# Altium PCB Zynq-Video-Board.PcbDoc (part 7 of 7)
Units mm, origin at the board's own origin, x right, y up, seen from the top; angles counter-clockwise.
Board outline 140 x 100.79 mm, 4 copper layers (Top Layer, Power Layer, GND Layer, Bottom Layer), stack 1.536 mm thick; 231 components, 238 nets, 1116 pads, 595 vias.
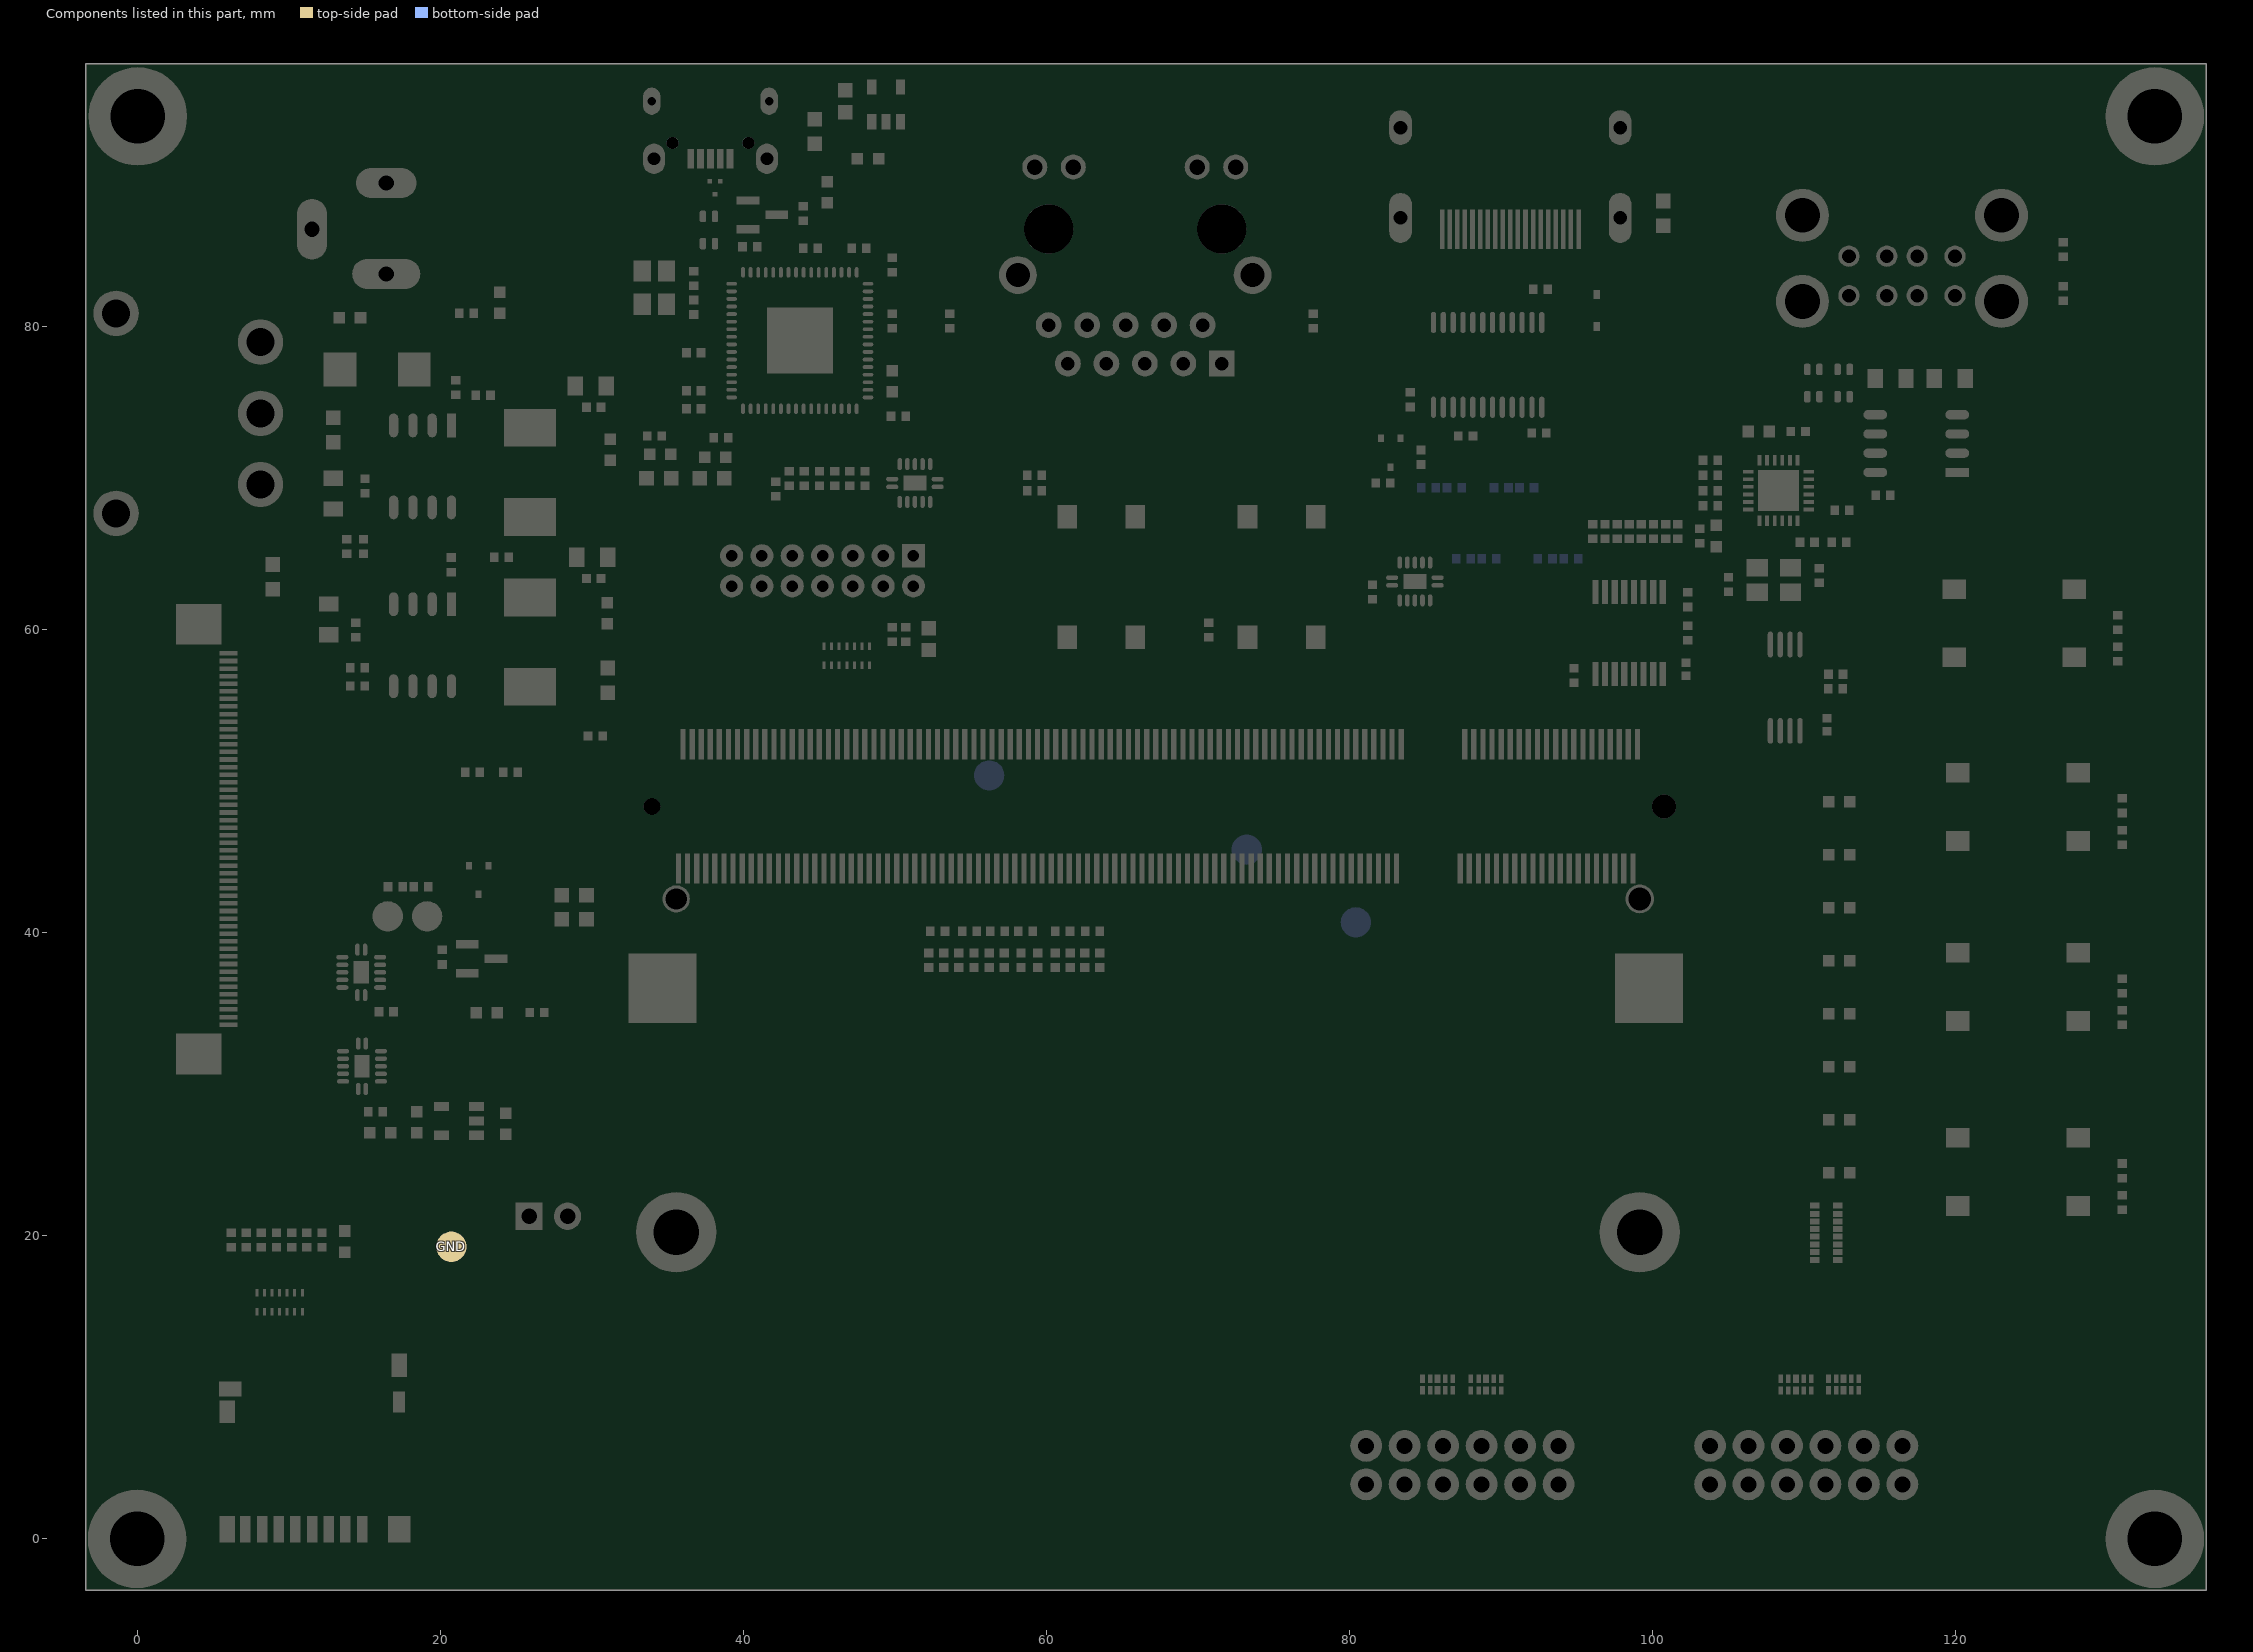
[diagram p9: the components of this part, seen from the top]

## Via types
v1: diameter 0.6, hole 0.25, Top Layer to Bottom Layer, tented both sides, 578 vias
v2: diameter 0.6, hole 0.25, Top Layer to Bottom Layer, 16 vias
v3: diameter 0.8, hole 0.35, Top Layer to Bottom Layer, tented both sides, 1 vias

## Nets (pads, with @x,y where several pads share a name; then routed paths per layer and width w, separated by ;. In a path a pad name is that pad's centre, name@x,y a point inside that pad or via, vN(x,y) a via of type N, cw(c..) or ccw(c..) an arc to the next point about the centre after c; other vN are vias at no path point) (continued)
copper on no net: (continued)
  Top Layer w0.013: 131.434,6.923 131.54,6.923 ; 131.448,6.394 131.527,6.394 ; 131.448,6.91 131.527,6.91 ; 131.461,6.407 131.514,6.407 ; 131.461,6.897 131.514,6.897 ; 131.474,6.42 131.501,6.42 ; 131.474,6.884 131.501,6.884 ; 131.699,6.566 131.898,6.566 ; 131.699,6.579 132.56,6.579 ; 131.699,6.592 132.56,6.592 ; 131.699,6.605 132.56,6.605 ; 131.699,6.619 132.56,6.619 ; 131.699,6.632 132.56,6.632 ; 131.699,6.645 132.56,6.645 ; 131.699,6.658 132.56,6.658 ; 131.699,6.672 132.56,6.672 ; 131.699,6.685 132.56,6.685 ; 131.699,6.698 132.56,6.698 ; 131.699,6.711 132.56,6.711 ; 131.699,6.725 132.56,6.725 ; 131.699,6.738 132.56,6.738 ; 131.713,6.473 131.911,6.473 ; 131.713,6.486 131.911,6.486 ; 131.713,6.5 131.911,6.5 ; 131.713,6.513 131.911,6.513 ; 131.713,6.526 131.898,6.526 ; 131.713,6.539 131.898,6.539 ; 131.713,6.553 131.898,6.553 ; 131.713,6.751 131.898,6.751 ; 131.713,6.764 131.898,6.764 ; 131.713,6.778 131.898,6.778 ; 131.713,6.791 131.911,6.791 ; 131.713,6.804 131.911,6.804 ; 131.713,6.817 131.911,6.817 ; 131.726,6.42 131.938,6.42 ; 131.726,6.433 131.938,6.433 ; 131.726,6.447 131.924,6.447 ; 131.726,6.46 131.924,6.46 ; 131.726,6.831 131.911,6.831 ; 131.726,6.844 131.911,6.844 ; 131.726,6.857 131.924,6.857 ; 131.726,6.87 131.924,6.87 ; 131.739,6.38 131.964,6.38 ; 131.739,6.394 131.951,6.394 ; 131.739,6.407 131.951,6.407 ; 131.739,6.884 131.938,6.884 ; 131.739,6.897 131.938,6.897 ; 131.739,6.91 131.951,6.91 ; 131.752,6.354 132.004,6.354 ; 131.752,6.367 131.977,6.367 ; 131.752,6.923 131.964,6.923 ; 131.752,6.937 131.977,6.937 ; 131.766,6.327 132.044,6.327 ; 131.766,6.341 132.017,6.341 ; 131.766,6.95 131.991,6.95 ; 131.766,6.963 132.004,6.963 ; 131.766,6.976 132.03,6.976 ; 131.779,6.301 132.507,6.301 ; 131.779,6.314 132.097,6.314 ; 131.779,6.99 132.07,6.99 ; 131.792,6.288 132.534,6.288 ; 131.792,7.003 132.481,7.003 ; 131.792,7.016 132.467,7.016 ; 131.805,6.274 132.52,6.274 ; 131.805,7.029 132.454,7.029 ; 131.818,6.261 132.507,6.261 ; 131.818,7.042 132.441,7.042 ; 131.832,6.248 132.494,6.248 ; 131.832,7.056 132.441,7.056 ; 131.832,7.069 132.428,7.069 ; 131.845,6.221 132.467,6.221 ; 131.845,6.235 132.481,6.235 ; 131.858,7.082 132.401,7.082 ; 131.871,6.208 132.454,6.208 ; 131.871,7.095 132.388,7.095 ; 131.885,6.195 132.428,6.195 ; 131.885,7.109 132.375,7.109 ; 131.898,7.122 132.348,7.122 ; 131.911,6.182 132.401,6.182 ; 131.924,7.135 132.322,7.135 ; 131.938,6.169 132.375,6.169 ; 131.951,7.148 132.295,7.148 ; 131.964,6.155 132.348,6.155 ; 131.991,6.142 132.308,6.142 ; 131.991,7.162 132.269,7.162 ; 132.044,7.175 132.216,7.175 ; 132.057,6.129 132.269,6.129 ; 132.176,6.99 132.494,6.99 ; 132.216,6.314 132.494,6.314 ; 132.216,6.976 132.494,6.976 ; 132.242,6.963 132.507,6.963 ; 132.255,6.327 132.481,6.327 ; 132.269,6.95 132.507,6.95 ; 132.282,6.937 132.52,6.937 ; 132.295,6.341 132.467,6.341 ; 132.295,6.91 132.52,6.91 ; 132.295,6.923 132.52,6.923 ; 132.308,6.354 132.454,6.354 ; 132.308,6.897 132.534,6.897 ; 132.322,6.87 132.534,6.87 ; 132.322,6.884 132.534,6.884 ; 132.335,6.367 132.428,6.367 ; 132.335,6.831 132.547,6.831 ; 132.335,6.844 132.547,6.844 ; 132.335,6.857 132.547,6.857 ; 132.348,6.38 132.414,6.38 ; 132.348,6.751 132.56,6.751 ; 132.348,6.764 132.547,6.764 ; 132.348,6.778 132.547,6.778 ; 132.348,6.791 132.547,6.791 ; 132.348,6.804 132.547,6.804 ; 132.348,6.817 132.547,6.817 ; 132.375,6.394 132.401,6.394

## Polygon pours and split planes (outlines as drawn)
NetIC4_8 on Top Layer "SW_3V3" (solid, pour order 114): 20.15,57.4 20.15,58.38 cw(c20.47,58.38) 20.47,58.7 28.45,58.7 cw(c28.45,58.5) 28.65,58.5 28.65,54.901 cw(c28.249,54.901) 28.249,54.5 20.551,54.5 cw(c20.551,54.901) 20.15,54.901
3V3_R on Top Layer "DC_3V3" (solid, pour order 112): 24.15,65.497 cw(c24.45,65.497) 24.45,65.797 29.346,65.797 cw(c29.346,65.493) 29.65,65.493 29.65,60.9 29.65,60.497 cw(c29.15,60.497) 29.15,59.997 24.65,59.997 cw(c24.65,60.497) 24.15,60.497
NetIC2_8 on Top Layer "SW_5V" (solid, pour order 110): 20.15,66.508 20.15,69.808 cw(c20.55,69.808) 20.55,70.208 28.45,70.208 cw(c28.45,70.008) 28.65,70.008 28.65,66.508 cw(c28.15,66.508) 28.15,66.008 20.65,66.008 cw(c20.65,66.508) 20.15,66.508
NetC4_2 on Top Layer "DC_5V" (solid, pour order 108): 23.55,77 29.35,77 29.65,77 29.65,76.7 29.65,71.9 cw(c29.25,71.9) 29.25,71.5 23.45,71.5 cw(c23.45,72) 22.95,72 22.95,76.4 cw(c23.55,76.4) 23.55,77
no net on Top Layer "AntmicroLogo" (solid, pour order 32): 33.376,9.65 33.289,10.094 33.325,10.378 33.431,10.617 33.601,10.817 33.827,10.979 34.105,11.109 34.428,11.208 34.79,11.282 35.186,11.332 35.186,11.539 35.174,11.702 35.139,11.84 35.081,11.956 35.001,12.05 34.899,12.121 34.775,12.172 34.63,12.201 34.463,12.211 34.016,12.151 33.615,11.998 33.483,12.337 33.968,12.514 34.514,12.582 35.009,12.516 35.383,12.315 35.619,11.972 35.701,11.482 35.701,9.309 35.207,9.135 34.577,9.07 34.033,9.135 33.629,9.33
SHIELD_USB on Top Layer "USB_GND" (solid, pour order 33): 123.05,79 127.55,79 ccw(c127.55,80) 128.55,80 128.55,96.3 ccw(c127.55,96.3) 127.55,97.3 105.85,97.3 ccw(c105.85,96.5) 105.05,96.5 105.05,80 ccw(c106.05,80) 106.05,79
no net on Top Layer "AntmicroLogo" (solid, pour order 34): 36.997,9.133 36.997,12.117 37.275,12.202 37.594,12.231 37.946,12.184 38.182,12.041 38.314,11.804 38.355,11.47 38.355,9.133 38.908,9.133 38.908,11.47 38.831,11.946 38.593,12.295 38.184,12.509 37.594,12.582 36.979,12.517 36.445,12.343 36.445,9.133
no net on Top Layer "AntmicroLogo" (solid, pour order 35): 39.892,9.319 39.727,9.586 39.668,9.956 39.668,12.174 39.279,12.174 39.279,12.519 39.668,12.519 39.668,13.298 40.221,13.468 40.221,12.519 40.812,12.519 40.812,12.174 40.221,12.174 40.221,9.956 40.248,9.758 40.328,9.61 40.46,9.517 40.642,9.485 40.812,9.51 40.812,9.158 40.662,9.115 40.479,9.101 40.148,9.156
no net on Top Layer "AntmicroLogo" (solid, pour order 36): 41.873,9.128 ccw(c41.873,9.133) 41.878,9.133 41.878,12.113 42.166,12.2 42.508,12.226 42.682,12.214 42.83,12.18 42.952,12.124 43.051,12.049 43.125,11.956 43.178,11.847 43.208,11.722 43.219,11.583 43.219,9.133 ccw(c43.224,9.133) 43.224,9.128 43.771,9.128 ccw(c43.771,9.133) 43.776,9.133 43.776,11.908 43.907,12.038 44.06,12.139 44.235,12.203 44.431,12.226 44.602,12.212 44.747,12.174 44.866,12.111 44.961,12.027 45.033,11.922 45.084,11.797 45.113,11.654 45.123,11.495 45.123,9.133 ccw(c45.128,9.133) 45.128,9.128 45.674,9.128 ccw(c45.674,9.133) 45.68,9.133 45.68,11.489 ccw(c45.674,11.489) 45.68,11.489 45.61,11.933 ccw(c45.604,11.933) 45.609,11.935 ccw(c45.604,11.933) 45.609,11.935 45.393,12.281 ccw(c45.389,12.278) 45.393,12.281 ccw(c45.389,12.278) 45.391,12.282 ccw(c45.389,12.278) 45.391,12.282 45.02,12.507 cw(c45.017,12.502) 45.02,12.507 ccw(c45.017,12.502) 45.018,12.507 44.482,12.587 ccw(c44.481,12.582) 44.48,12.587 ccw(c44.481,12.582) 44.48,12.587 44.19,12.56 cw(c44.191,12.555) 44.19,12.56 ccw(c44.191,12.555) 44.189,12.559 43.926,12.481 ccw(c43.928,12.476) 43.925,12.481 43.695,12.356 ccw(c43.698,12.352) 43.694,12.355 43.694,12.356 ccw(c43.698,12.352) 43.694,12.355 43.507,12.193 43.33,12.361 cw(c43.326,12.357) 43.33,12.361 ccw(c43.326,12.357) 43.329,12.361 ccw(c43.326,12.357) 43.329,12.361 cw(c43.326,12.357) 43.33,12.361 43.329,12.361 43.109,12.485 ccw(c43.106,12.481) 43.108,12.485 43.109,12.485 ccw(c43.106,12.481) 43.107,12.486 42.833,12.561 ccw(c42.832,12.556) 42.832,12.561 ccw(c42.832,12.556) 42.832,12.561 42.489,12.587 cw(c42.489,12.582) 42.489,12.587 ccw(c42.489,12.582) 42.488,12.587 41.858,12.522 ccw(c41.858,12.517) 41.857,12.522 41.325,12.348 ccw(c41.326,12.343) 41.321,12.343 41.321,9.133 ccw(c41.326,9.133) 41.326,9.128
no net on Top Layer "AntmicroLogo" (solid, pour order 37): 46.423,9.133 46.976,9.133 46.976,12.519 46.423,12.519
SHIELD on Top Layer "HDMI_GND" (solid, pour order 40): 103.15,85.5 cw(c102.15,85.5) 102.15,84.5 81.15,84.5 cw(c81.15,85.5) 80.15,85.5 80.15,96.3 cw(c81.15,96.3) 81.15,97.3 102.35,97.3 cw(c102.35,96.5) 103.15,96.5
no net on Top Layer "AntmicroLogo" (solid, pour order 42): 47.691,9.817 47.581,10.117 47.513,10.456 47.49,10.829 47.514,11.202 47.582,11.54 47.692,11.839 47.843,12.094 48.032,12.301 48.257,12.454 48.515,12.549 48.804,12.582 49.233,12.524 49.564,12.363 49.432,12.035 49.321,12.104 49.191,12.158 49.048,12.193 48.898,12.205 48.538,12.102 48.274,11.816 48.112,11.383 48.056,10.841 48.113,10.304 48.277,9.869 48.541,9.578 48.898,9.472 49.047,9.483 49.188,9.516 49.316,9.567 49.426,9.635 49.564,9.29 49.233,9.128 48.804,9.07 48.513,9.103 48.254,9.199 48.029,9.353 47.841,9.561
no net on Top Layer "AntmicroLogo" (solid, pour order 43): 50.097,9.133 50.097,12.343 50.602,12.517 51.253,12.582 51.437,12.575 51.549,12.564 51.423,12.149 51.26,12.191 51.078,12.205 50.852,12.185 50.65,12.117 50.65,9.133
GND on Top Layer "ETH_GND" (solid, pour order 44): 79.65,96 79.65,85.5 79.65,76 79.65,75.5 cw(c78.65,75.5) 78.65,74.5 53.15,74.5 cw(c53.15,75.5) 52.15,75.5 52.15,96.39 cw(c53.15,96.39) 53.15,97.39 78.46,97.39 cw(c78.46,96.2) 79.65,96.2
no net on Top Layer "AntmicroLogo" (solid, pour order 45): 51.809,9.825 51.953,9.568 52.139,9.358 52.37,9.201 52.645,9.104 52.966,9.07 53.287,9.104 53.562,9.201 53.793,9.358 53.979,9.568 54.123,9.825 54.224,10.125 54.285,10.461 54.305,10.829 54.285,11.195 54.224,11.53 54.123,11.828 53.979,12.085 53.793,12.294 53.562,12.45 53.287,12.548 52.966,12.582 52.645,12.548 52.37,12.45 52.139,12.294 51.953,12.085 51.809,11.828 51.708,11.53 51.648,11.195 51.628,10.829 51.648,10.461 51.708,10.125
no net on Top Layer "AntmicroLogo" (solid, pour order 46): 205 vertices, not listed, extent 26.431,8.863 29.532,12.844
no net on Top Layer "AntmicroLogo" (solid, pour order 47): 319 vertices, not listed, extent 23.739,5.993 32.225,15.713
GND on Top Layer "SD_GND" (solid, pour order 48): 3.921,-0.459 3.921,11.441 3.921,12.441 3.921,12.941 cw(c4.421,12.941) 4.421,13.441 18.421,13.441 cw(c18.421,12.941) 18.921,12.941 18.921,0.441 18.921,0.041 cw(c18.421,0.041) 18.421,-0.459
3V3 on Top Layer "3V3" (solid, pour order 49): 96.05,51.1 99.35,51.1 ccw(c99.35,51.4) 99.65,51.4 99.65,54.7 ccw(c99.35,54.7) 99.35,55 95.95,55 ccw(c95.95,54.8) 95.75,54.8 95.75,51.4 ccw(c96.05,51.4)
MUSB_SHIELD on Top Layer "MUSB_SHIELD" (solid, pour order 116): 41.55,97.3 33.45,97.3 ccw(c33.45,96.6) 32.75,96.6 32.75,90.1 ccw(c33.45,90.1) 33.45,89.4 42.25,89.4 ccw(c42.25,90) 42.85,90 42.85,96.6 ccw(c42.15,96.6) 42.15,97.3
GND on Top Layer "GND" (solid, pour order 106): 20.65,85 14.15,83.741 cw(c13.809,83.741) 14.05,83.5 13.65,83.1 10.65,83.1 cw(c10.65,83.341) 10.479,83.171 10.391,83.259 cw(c10.733,83.6) 10.25,83.6 10.25,96.9 cw(c10.65,96.9) 10.65,97.3 20.35,97.3 cw(c20.35,97) 20.65,97
no net on Top Solder "AntmicroLogo" (solid, pour order 83): 33.376,9.65 33.289,10.094 33.325,10.378 33.431,10.617 33.601,10.817 33.827,10.979 34.105,11.109 34.428,11.208 34.79,11.282 35.186,11.332 35.186,11.539 35.174,11.702 35.139,11.84 35.081,11.956 35.001,12.05 34.899,12.121 34.775,12.172 34.63,12.201 34.463,12.211 34.016,12.151 33.615,11.998 33.483,12.337 33.968,12.514 34.514,12.582 35.009,12.516 35.383,12.315 35.619,11.972 35.701,11.482 35.701,9.309 35.207,9.135 34.577,9.07 34.033,9.135 33.629,9.33
no net on Top Solder "AntmicroLogo" (solid, pour order 85): 36.997,9.133 36.997,12.117 37.275,12.202 37.594,12.231 37.946,12.184 38.182,12.041 38.314,11.804 38.355,11.47 38.355,9.133 38.908,9.133 38.908,11.47 38.831,11.946 38.593,12.295 38.184,12.509 37.594,12.582 36.979,12.517 36.445,12.343 36.445,9.133
no net on Top Solder "AntmicroLogo" (solid, pour order 87): 39.892,9.319 39.727,9.586 39.668,9.956 39.668,12.174 39.279,12.174 39.279,12.519 39.668,12.519 39.668,13.298 40.221,13.468 40.221,12.519 40.812,12.519 40.812,12.174 40.221,12.174 40.221,9.956 40.248,9.758 40.328,9.61 40.46,9.517 40.642,9.485 40.812,9.51 40.812,9.158 40.662,9.115 40.479,9.101 40.148,9.156
no net on Top Solder "AntmicroLogo" (solid, pour order 90): 41.873,9.128 ccw(c41.873,9.133) 41.878,9.133 41.878,12.113 42.166,12.2 42.508,12.226 42.682,12.214 42.83,12.18 42.952,12.124 43.051,12.049 43.125,11.956 43.178,11.847 43.208,11.722 43.219,11.583 43.219,9.133 ccw(c43.224,9.133) 43.224,9.128 43.771,9.128 ccw(c43.771,9.133) 43.776,9.133 43.776,11.908 43.907,12.038 44.06,12.139 44.235,12.203 44.431,12.226 44.602,12.212 44.747,12.174 44.866,12.111 44.961,12.027 45.033,11.922 45.084,11.797 45.113,11.654 45.123,11.495 45.123,9.133 ccw(c45.128,9.133) 45.128,9.128 45.674,9.128 ccw(c45.674,9.133) 45.68,9.133 45.68,11.489 ccw(c45.674,11.489) 45.68,11.489 45.61,11.933 ccw(c45.604,11.933) 45.609,11.935 ccw(c45.604,11.933) 45.609,11.935 45.393,12.281 ccw(c45.389,12.278) 45.393,12.281 ccw(c45.389,12.278) 45.391,12.282 ccw(c45.389,12.278) 45.391,12.282 45.02,12.507 cw(c45.017,12.502) 45.02,12.507 ccw(c45.017,12.502) 45.018,12.507 44.482,12.587 ccw(c44.481,12.582) 44.48,12.587 ccw(c44.481,12.582) 44.48,12.587 44.19,12.56 cw(c44.191,12.555) 44.19,12.56 ccw(c44.191,12.555) 44.189,12.559 43.926,12.481 ccw(c43.928,12.476) 43.925,12.481 43.695,12.356 ccw(c43.698,12.352) 43.694,12.355 43.694,12.356 ccw(c43.698,12.352) 43.694,12.355 43.507,12.193 43.33,12.361 cw(c43.326,12.357) 43.33,12.361 ccw(c43.326,12.357) 43.329,12.361 ccw(c43.326,12.357) 43.329,12.361 cw(c43.326,12.357) 43.33,12.361 43.329,12.361 43.109,12.485 ccw(c43.106,12.481) 43.108,12.485 43.109,12.485 ccw(c43.106,12.481) 43.107,12.486 42.833,12.561 ccw(c42.832,12.556) 42.832,12.561 ccw(c42.832,12.556) 42.832,12.561 42.489,12.587 cw(c42.489,12.582) 42.489,12.587 ccw(c42.489,12.582) 42.488,12.587 41.858,12.522 ccw(c41.858,12.517) 41.857,12.522 41.325,12.348 ccw(c41.326,12.343) 41.321,12.343 41.321,9.133 ccw(c41.326,9.133) 41.326,9.128
no net on Top Solder "AntmicroLogo" (solid, pour order 92): 46.423,9.133 46.976,9.133 46.976,12.519 46.423,12.519
no net on Top Solder "AntmicroLogo" (solid, pour order 95): 47.691,9.817 47.581,10.117 47.513,10.456 47.49,10.829 47.514,11.202 47.582,11.54 47.692,11.839 47.843,12.094 48.032,12.301 48.257,12.454 48.515,12.549 48.804,12.582 49.233,12.524 49.564,12.363 49.432,12.035 49.321,12.104 49.191,12.158 49.048,12.193 48.898,12.205 48.538,12.102 48.274,11.816 48.112,11.383 48.056,10.841 48.113,10.304 48.277,9.869 48.541,9.578 48.898,9.472 49.047,9.483 49.188,9.516 49.316,9.567 49.426,9.635 49.564,9.29 49.233,9.128 48.804,9.07 48.513,9.103 48.254,9.199 48.029,9.353 47.841,9.561
no net on Top Solder "AntmicroLogo" (solid, pour order 97): 50.097,9.133 50.097,12.343 50.602,12.517 51.253,12.582 51.437,12.575 51.549,12.564 51.423,12.149 51.26,12.191 51.078,12.205 50.852,12.185 50.65,12.117 50.65,9.133
no net on Top Solder "AntmicroLogo" (solid, pour order 99): 51.809,9.825 51.953,9.568 52.139,9.358 52.37,9.201 52.645,9.104 52.966,9.07 53.287,9.104 53.562,9.201 53.793,9.358 53.979,9.568 54.123,9.825 54.224,10.125 54.285,10.461 54.305,10.829 54.285,11.195 54.224,11.53 54.123,11.828 53.979,12.085 53.793,12.294 53.562,12.45 53.287,12.548 52.966,12.582 52.645,12.548 52.37,12.45 52.139,12.294 51.953,12.085 51.809,11.828 51.708,11.53 51.648,11.195 51.628,10.829 51.648,10.461 51.708,10.125
no net on Top Solder "AntmicroLogo" (solid, pour order 101): 205 vertices, not listed, extent 26.431,8.863 29.532,12.844
no net on Top Solder "AntmicroLogo" (solid, pour order 104): 319 vertices, not listed, extent 23.739,5.993 32.225,15.713
GND on GND Layer "GND" (solid, pour order 39): -3.4,-3.4 136.6,-3.4 136.6,97.39 -3.4,97.39
3V3 on Power Layer "+3V3" (solid, pour order 38): -3.4,-3.4 136.6,-3.4 136.6,97.39 -3.4,97.39

## Keep-outs
Keep-Out Layer:
  the board outline again, w0.1

## Other copper
Top Layer:
  pour cut-out: 33.869,9.801 33.816,10.107 33.909,10.491 34.178,10.761 34.609,10.938 35.186,11.043 35.186,9.504 35.073,9.457 34.937,9.421 34.786,9.399 34.627,9.39 34.277,9.438 34.024,9.576
  pour cut-out: 52.273,10.067 52.22,10.305 52.19,10.565 52.181,10.842 52.19,11.118 52.22,11.377 52.273,11.613 52.352,11.819 52.458,11.99 52.594,12.12 52.763,12.202 52.966,12.231 53.169,12.202 53.338,12.12 53.474,11.99 53.581,11.819 53.659,11.613 53.712,11.377 53.742,11.118 53.752,10.842 53.742,10.565 53.712,10.305 53.659,10.067 53.581,9.858 53.474,9.685 53.338,9.554 53.169,9.47 52.966,9.441 52.763,9.47 52.594,9.554 52.458,9.685 52.352,9.858
  pour cut-out: 29.253,10.719 cw(c29.253,10.854) 29.118,10.854 cw(c29.253,10.854) 29.253,10.988 cw(c29.253,10.854) 29.387,10.854 cw(c29.253,10.854)
  pour cut-out: 29.086,11.844 cw(c29.086,11.978) 28.951,11.978 cw(c29.086,11.978) 29.086,12.112 cw(c29.086,11.978) 29.22,11.978 cw(c29.086,11.978)
  pour cut-out: 27.981,12.189 cw(c27.981,12.453) 27.718,12.453 cw(c27.981,12.453) 27.981,12.716 cw(c27.981,12.453) 28.245,12.453 cw(c27.981,12.453)
  pour cut-out: 26.877,11.844 cw(c26.877,11.978) 26.743,11.978 cw(c26.877,11.978) 26.877,12.112 cw(c26.877,11.978) 27.012,11.978 cw(c26.877,11.978)
  pour cut-out: 26.71,10.719 cw(c26.71,10.854) 26.575,10.854 cw(c26.71,10.854) 26.71,10.988 cw(c26.71,10.854) 26.844,10.854 cw(c26.71,10.854)
  pour cut-out: 26.877,9.594 cw(c26.877,9.729) 26.743,9.729 cw(c26.877,9.729) 26.877,9.863 cw(c26.877,9.729) 27.012,9.729 cw(c26.877,9.729)
  pour cut-out: 27.981,8.991 cw(c27.981,9.254) 27.718,9.254 cw(c27.981,9.254) 27.981,9.517 cw(c27.981,9.254) 28.245,9.254 cw(c27.981,9.254)
  pour cut-out: 28.951,9.729 ccw(c29.086,9.729) 29.086,9.595 ccw(c29.086,9.729) 29.22,9.729 ccw(c29.086,9.729) 29.086,9.863 ccw(c29.086,9.729)
  region net VIN_C: 14.95,80 cw(c14.95,80.6) 14.35,80.6 14.35,84.5 cw(c14.85,84.5) 14.85,85 18.35,85 cw(c18.35,84.6) 18.75,84.6 18.75,80.5 cw(c18.25,80.5) 18.25,80
  region net 5V0: 29.974,69.824 ccw(c30.274,69.824) 30.274,69.524 31.75,69.5 ccw(c31.75,69.8) 32.05,69.8 32.009,71.459 ccw(c31.809,71.459) 31.809,71.659 30.191,71.659 ccw(c30.191,71.459) 29.991,71.459 29.95,71.5 29.95,69.8
  text "Zynq Video Board" at 34.319,7.222 h1.5
  text "Rev. 1.2    08/2018" at 34.319,5.837 h1.5

## Silkscreen, mask and mechanical layers (free items; w line width, h text height)
Top Overlay:
  drawing of 233 lines, arcs and shapes, not listed
  text "5-12V 3A" at 23.769,86.39 h0.9 r90
  text "USB 2.0" at 106.75,86.2 h1.52 r90
  text "ETHERNET" at 54.25,84.6 h1.52 r90
  text "HDMI OUT" at 80.35,84 h1.52 r90
  text "OFF" at 2.55,83.4 h1.52
  text "USB CONSOLE" at 30.65,80.1 h1.52 r90
  text "RST" at 62.95,69.7 h0.8
  text "POR" at 74.45,69.7 h0.8
  text "ON" at 2.55,63.5 h1.52
  text "50" at 7.45,57.8 h0.76
  text "JTAG" at 37.85,57.5 h1.52
  text ".T9" at 122.75,55.5 h0.76
  text ".V7" at 122.75,43.2 h0.76
  text "1" at 7.55,32.6 h0.76
  text "DONE" at 22.47,32.08 h0.8
  text "MIPI CSI-2" at 10.65,31.6 h1.52 r90
  text ".U10" at 122.55,31.2 h0.76
  text ".U7" at 122.75,19.2 h0.76
  text "-" at 28.05,16.9 h1.02
  text "+" at 25.45,16.8 h1.02
  text "3V3 GND W20 V20 P16 P15" at 78.55,15.6 h0.8
  text "3V3 GND W15 V15 P19 N18" at 101.05,15.6 h0.8
  text "3V3 GND U20 T20 P18 N17" at 78.55,13.7 h0.8
  text "3V3 GND Y17 Y16 P20 N20" at 101.05,13.7 h0.8
  text "SD CARD" at 21.409,0.529 h1.52 r90
Top Solder:
  drawing of 3327 lines, arcs and shapes, not listed
  text "Zynq Video Board" at 34.319,7.222 h1.5
  text "Rev. 1.2    08/2018" at 34.319,5.837 h1.5
PCB Fab Notes:
  drawing of 347 lines, arcs and shapes, not listed
  text "Layer" at 154.324,94.378 h1.52
  text "Name" at 164.736,94.378 h1.52
  text "Material" at 188.351,94.378 h1.52
  text "Thickness" at 210.189,94.378 h1.52
  text "Constant" at 226.695,94.378 h1.52
  text "Board Layer Stack" at 241.17,94.378 h1.52
  text "1" at 154.324,91.33 h1.52
  text "Top Paste" at 164.736,91.33 h1.52
  text "2" at 154.324,88.282 h1.52
  text "Top Overlay" at 164.736,88.282 h1.52
  text "3" at 154.324,85.234 h1.52
  text "Top Solder" at 164.736,85.234 h1.52
  text "Solder Resist" at 188.351,85.234 h1.52
  text "0.010mm" at 210.189,85.234 h1.52
  text "3.5" at 226.695,85.234 h1.52
  text "4" at 154.324,82.186 h1.52
  text "Top Layer" at 164.736,82.186 h1.52
  text "Copper" at 188.351,82.186 h1.52
  text "0.018mm" at 210.189,82.186 h1.52
  text "5" at 154.324,79.138 h1.52
  text "Dielectric 1" at 164.736,79.138 h1.52
  text "FR-4" at 188.351,79.138 h1.52
  text "0.360mm" at 210.189,79.138 h1.52
  text "4.6" at 226.695,79.138 h1.52
  text "6" at 154.324,76.09 h1.52
  text "Power Layer" at 164.736,76.09 h1.52
  text "Copper" at 188.351,76.09 h1.52
  text "0.035mm" at 210.189,76.09 h1.52
  text "7" at 154.324,73.042 h1.52
  text "Dielectric 2" at 164.736,73.042 h1.52
  text "FR+4" at 188.351,73.042 h1.52
  text "0.710mm" at 210.189,73.042 h1.52
  text "4.6" at 226.695,73.042 h1.52
  text "8" at 154.324,69.994 h1.52
  text "GND Layer" at 164.736,69.994 h1.52
  text "Copper" at 188.351,69.994 h1.52
  text "0.035mm" at 210.189,69.994 h1.52
  text "9" at 154.324,66.946 h1.52
  text "Dielectric 3" at 164.736,66.946 h1.52
  text "0.360mm" at 210.189,66.946 h1.52
  text "4.6" at 226.695,66.946 h1.52
  text "10" at 154.324,63.898 h1.52
  text "Bottom Layer" at 164.736,63.898 h1.52
  text "Copper" at 188.351,63.898 h1.52
  text "0.018mm" at 210.189,63.898 h1.52
  text "11" at 154.324,60.85 h1.52
  text "Bottom Solder" at 164.736,60.85 h1.52
  text "Solder Resist" at 188.351,60.85 h1.52
  text "0.010mm" at 210.189,60.85 h1.52
  text "3.5" at 226.695,60.85 h1.52
  text "12" at 154.324,57.802 h1.52
  text "Bottom Overlay" at 164.736,57.802 h1.52
  text "13" at 154.324,54.754 h1.52
  text "Bottom Paste" at 164.736,54.754 h1.52

## Text inside footprints (layer, text, board x,y; h text height)
J5: Top Overlay "1" at 3.45,33.9 h0.9; Top Overlay "50" at 3.05,57.7 h0.9
J9: PCB Asm Notes "Micro SD Card" at 7.159,-2.546 h0.7
J10: Top Overlay "1" at 73.09,77.874 h0.6 r180; Top Overlay "2" at 71.89,80.474 h0.6 r180; Top Overlay "9" at 60.29,77.874 h0.6 r180; Top Overlay "10" at 60.55,82.2 h0.6 r180; Top Overlay "11" at 72.89,92.274 h0.6 r180; Top Overlay "12" at 67.65,92 h0.6 r180; Top Overlay "13" at 62.09,92.274 h0.6 r180; Top Overlay "14" at 59.49,92.274 h0.6 r180
J13: Top Courtyard "PCB Edge" at 39.75,96.4 h1 r180